# Altium PCB Dahlia Carrier Board.PcbDoc (part 2 of 10) (continued)
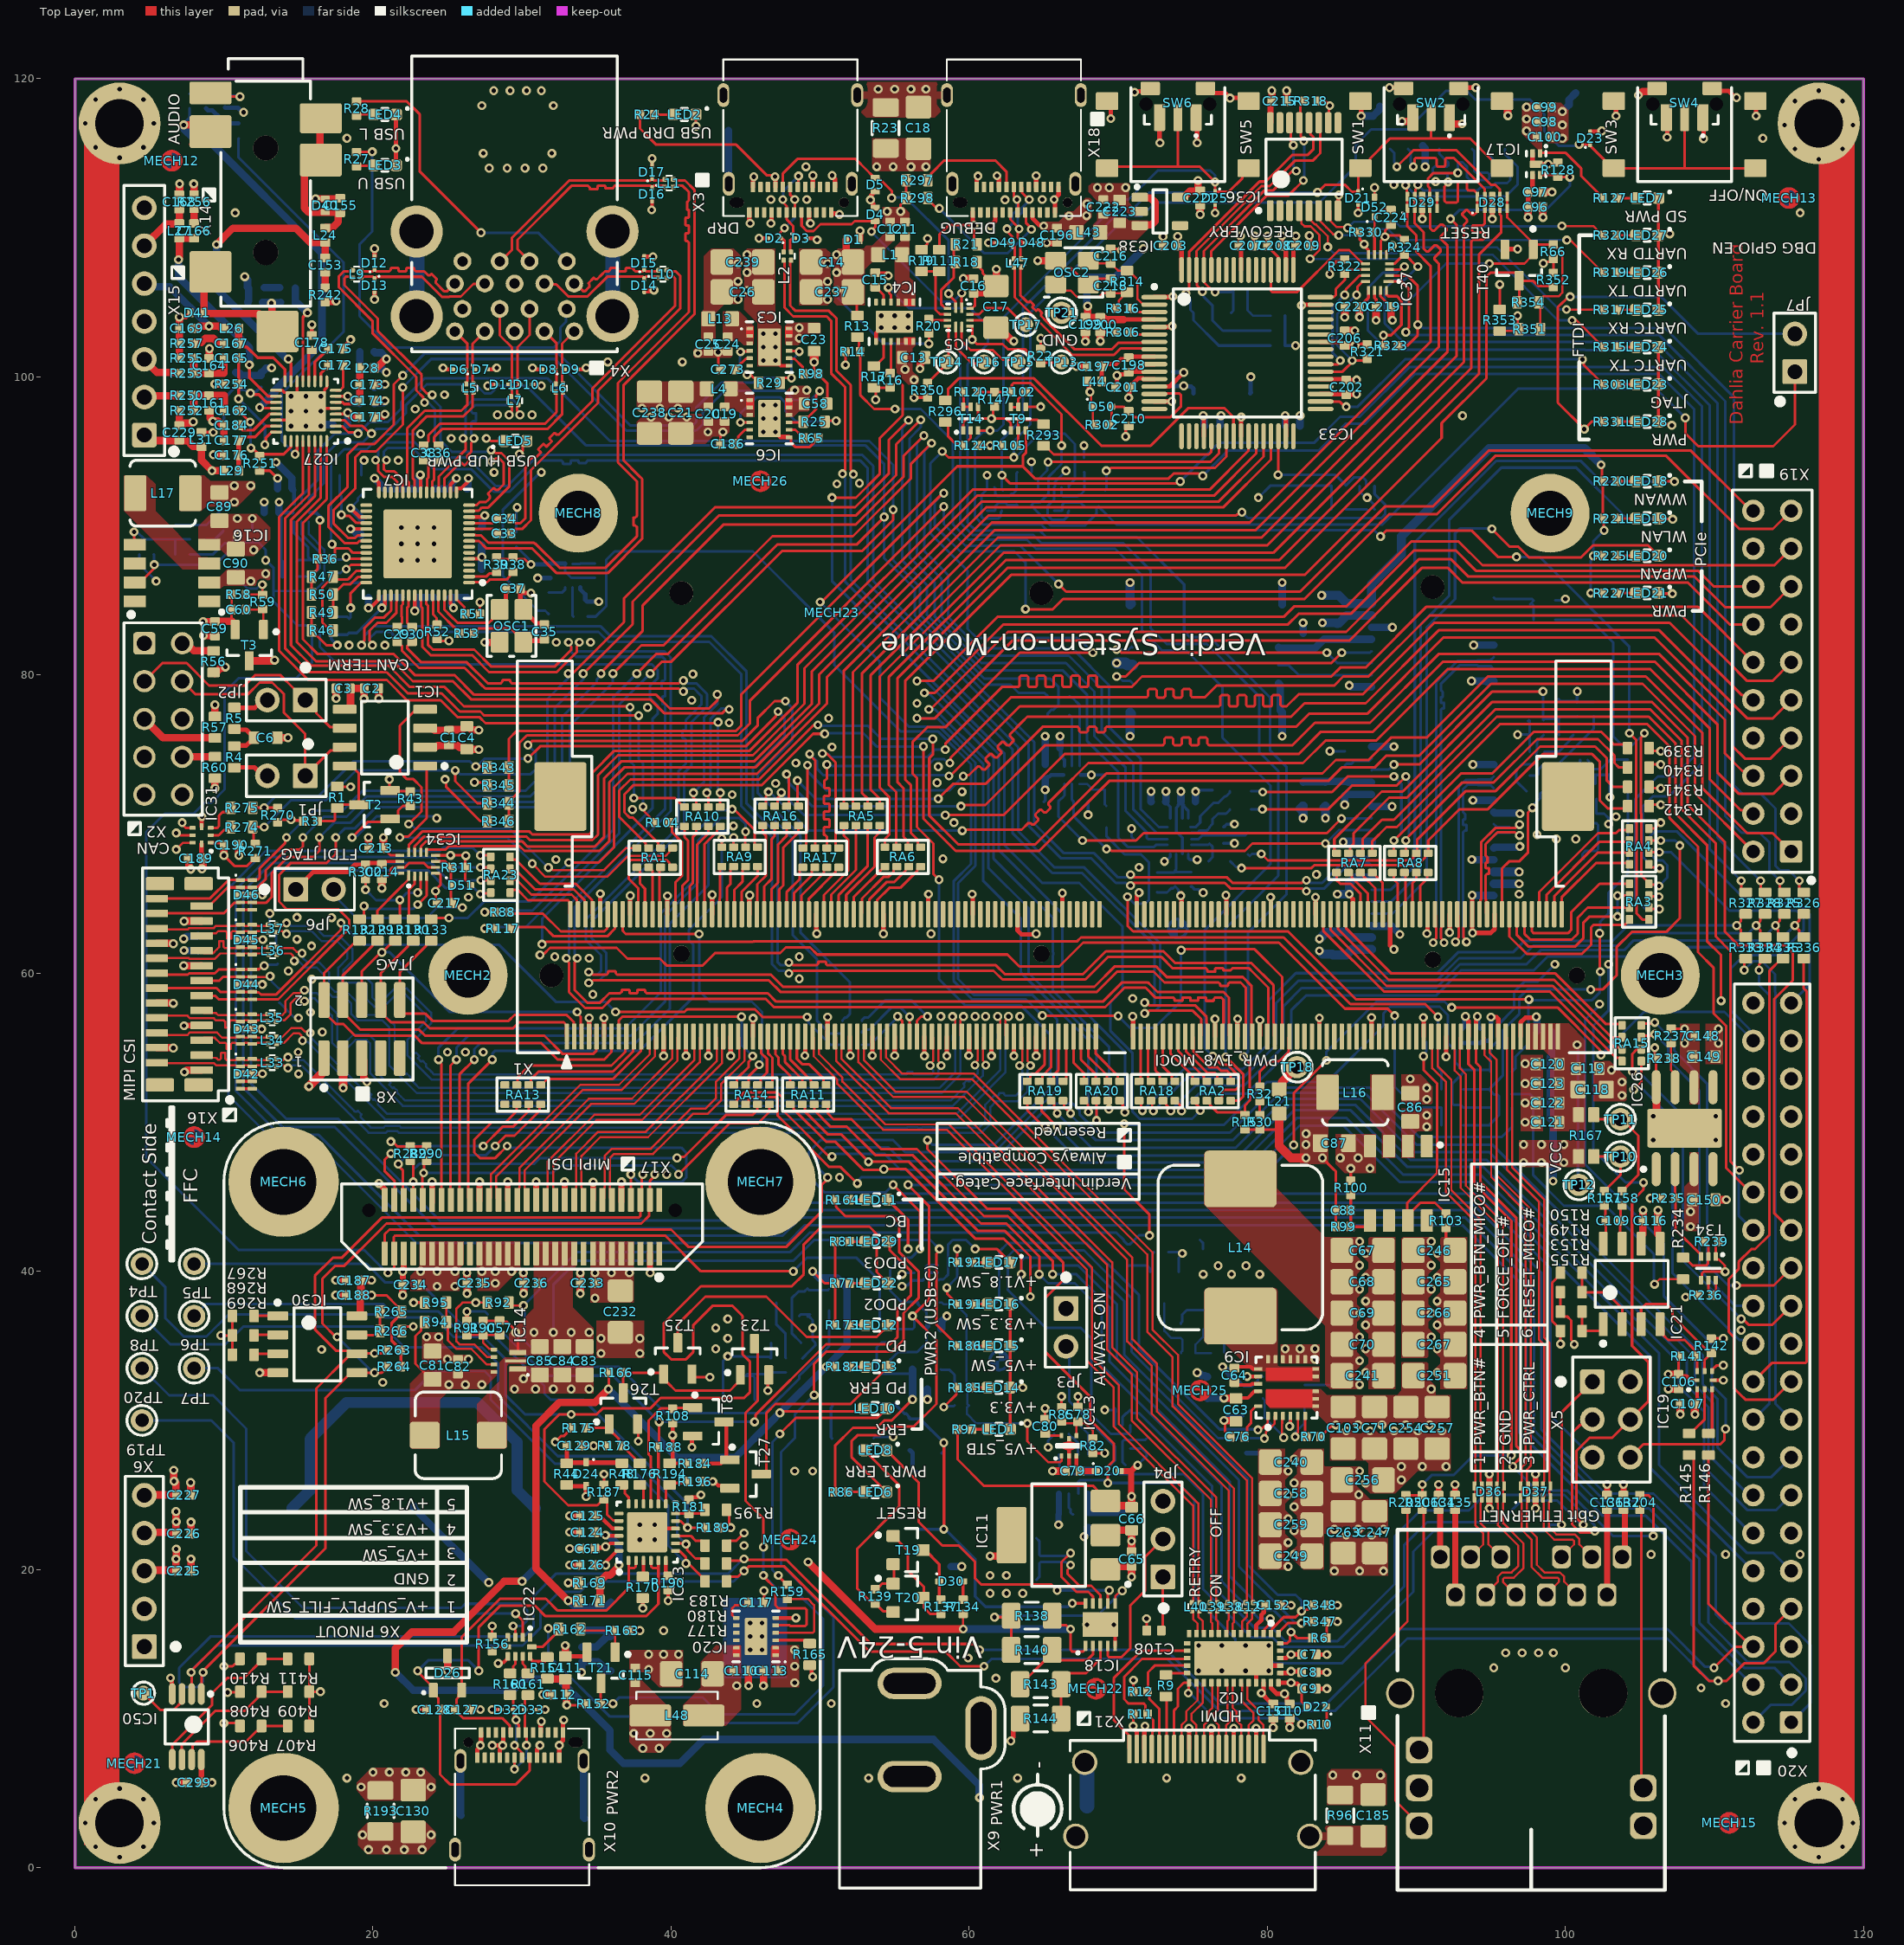
[diagram p0: Top Layer view]
## Components (designator, comment, footprint, x,y, rotation, side; value= is the part's Value field where it differs from the comment) (continued)
X21 "10029449-111RLF" T_FCI_10029449-111RLF 75,-1.494 r0 top locked

## Footprints (in the part's own frame and the unit in brackets; to place one, negate y for a bottom-side part, rotate by r counter-clockwise, add the part's x,y. Pads: shape width x height; smd on the part's side, far side on the other; paste and mask are expansions set on the pad)
CAPC1005X60N [mm]
  rrect25% 0.58x0.66 smd: 1(-0.49,0) 2(0.49,0)
  body extent -0.5,-0.25 0.5,0.25, height 0.6
CON-AMPHENOL-12401598E4#2A [mm] "USB 3.1 Gen 2, Input Output Connectors, USB type C, Receptacle, Top mount, dual-row SMT, 1.6mmPCB"
  rrect30% 0.3x0.7 smd: A1(-2.75,3.93) A2(-2.25,3.93) A3(-1.75,3.93) A4(-1.25,3.93) A5(-0.75,3.93) A6(-0.25,3.93) A7(0.25,3.93) A8(0.75,3.93) A9(1.25,3.93) A10(1.75,3.93) A11(2.25,3.93) A12(2.75,3.93) B1(2.5,2.23) B2(2,2.23) B3(1.5,2.23) B4(1,2.23) B5(0.5,2.23) B6(0,2.23) B7(-0.5,2.23) B8(-1,2.23) B9(-1.5,2.23) B10(-2,2.23) B11(-2.5,2.23) B12(-3,2.23)
  round 0.65 hole 0.65 unplated: None(-3.6,3.27)
  oval 0.95x0.65 hole 0.65 slot 0.95 at 0 deg unplated: None(3.6,3.27)
  oval 0.8x1.6 hole 0.5 slot 1 at 90 deg: SH1(-4.13,2.02) SH2(-4.49,-3.93) SH3(4.49,-3.93) SH4(4.13,2.02)
  silkscreen extent -4.5,-6.32 4.5,4.18, body extent -4.6,-6.31 4.6,4.19, height 3.28
CON-HEADER-2X5-MALE-2.54MM [mm] "2.54 mm header"
  rrect30% 1.5x1.5 hole 1: 1(0,0)
  round 1.5 hole 1: 2(0,2.54) 3(2.54,0) 4(2.54,2.54) 5(5.08,0) 6(5.08,2.54) 7(7.62,0) 8(7.62,2.54) 9(10.16,0) 10(10.16,2.54)
  silkscreen extent -2.04,-1.38 11.53,3.9, body extent -1.27,-1.27 11.43,3.81, height 8.4
CON-LINK-PP-LPJK7436A98NL [mil] "RJ45 Ethernet Connector 10000BaseT"
  rrect50% 50x60 hole 38: 1(146,-779.68) 2(226,-779.68) 3(306,-779.68) 4(386,-779.68) 5(466,-779.68) 6(546,-779.68) 7(106,-879.68) 8(186,-879.68) 9(266,-879.68) 10(426,-879.68) 11(506,-879.68) 12(586,-879.68)
  rrect50% 70x70 hole 50: 13(50,-269.68) 14(50,-169.68) 15(642,-369.68) 16(642,-269.68) 17(642,-169.68)
  oval 74x80 hole 62: S1(0,-519.68) S2(692,-519.68)
  round 128 hole 128 unplated: X(156,-519.68) X(536,-519.68)
  silkscreen extent -7,-952 699,0, body extent -55,-947 747,20, height 494
CON-MOLEX-67910-5700-HALF/FULL [mm]
  rrect12% 0.6x2 smd: 1(0.7,-4.1) 2(1.1,4.1) 3(1.5,-4.1) 4(1.9,4.1) 5(2.3,-4.1) 6(2.7,4.1) 7(3.1,-4.1) 8(3.5,4.1) 9(3.9,-4.1) 10(4.3,4.1) 11(4.7,-4.1) 12(5.1,4.1) 13(5.5,-4.1) 14(5.9,4.1) 15(6.3,-4.1) 16(6.7,4.1) 17(10.3,-4.1) 18(10.7,4.1) 19(11.1,-4.1) 20(11.5,4.1) 21(11.9,-4.1) 22(12.3,4.1) 23(12.7,-4.1) 24(13.1,4.1) 25(13.5,-4.1) 26(13.9,4.1) 27(14.3,-4.1) 28(14.7,4.1) 29(15.1,-4.1) 30(15.5,4.1) 31(15.9,-4.1) 32(16.3,4.1) 33(16.7,-4.1) 34(17.1,4.1) 35(17.5,-4.1) 36(17.9,4.1) 37(18.3,-4.1) 38(18.7,4.1) 39(19.1,-4.1) 40(19.5,4.1) 41(19.9,-4.1) 42(20.3,4.1) 43(20.7,-4.1) 44(21.1,4.1) 45(21.5,-4.1) 46(21.9,4.1) 47(22.3,-4.1) 48(22.7,4.1) 49(23.1,-4.1) 50(23.5,4.1) 51(23.9,-4.1) 52(24.3,4.1)
  rrect12% 2.3x3.2 smd: x(-2.15,-3.5) x(27.15,-3.5)
  round 1.6 hole 1.6 unplated: x(0,0) x(0.4,50.4) ""(0.4,26.25)
  round 1.1 hole 1.1 unplated: x(24.6,50.4) x(25,0) ""(24.6,26.25)
  rrect12% 4.8x3 smd: ""(0.4,23.1) ""(0.4,29.4) ""(0.4,47.25) ""(0.4,53.55) ""(24.6,23.1) ""(24.6,29.4) ""(24.6,47.25) ""(24.6,53.55)
  silkscreen extent -2.5,-1.5 27.53,55.72, body extent -2.5,-5.1 27.5,5.1, height 5.77
CON-SAMTEC-LSS-130-03-L-DV-A-CARRIER [mm] "0.635 mm Razor Beam High-Speed Hermaphroditic Terminal/Socket Strip"
  rrect20% 0.4x1.6 smd: 1(9.207,-1.8) 2(9.207,1.8) 3(8.572,-1.8) 4(8.572,1.8) 5(7.938,-1.8) 6(7.938,1.8) 7(7.302,-1.8) 8(7.302,1.8) 9(6.667,-1.8) 10(6.667,1.8) 11(6.032,-1.8) 12(6.032,1.8) 13(5.397,-1.8) 14(5.397,1.8) 15(4.763,-1.8) 16(4.763,1.8) 17(4.127,-1.8) 18(4.127,1.8) 19(3.492,-1.8) 20(3.492,1.8) 21(2.857,-1.8) 22(2.857,1.8) 23(2.222,-1.8) 24(2.222,1.8) 25(1.587,-1.8) 26(1.587,1.8) 27(0.953,-1.8) 28(0.953,1.8) 29(0.318,-1.8) 30(0.318,1.8) 31(-0.318,-1.8) 32(-0.318,1.8) 33(-0.953,-1.8) 34(-0.953,1.8) 35(-1.587,-1.8) 36(-1.587,1.8) 37(-2.222,-1.8) 38(-2.222,1.8) 39(-2.857,-1.8) 40(-2.857,1.8) 41(-3.492,-1.8) 42(-3.492,1.8) 43(-4.127,-1.8) 44(-4.127,1.8) 45(-4.763,-1.8) 46(-4.763,1.8) 47(-5.397,-1.8) 48(-5.397,1.8) 49(-6.032,-1.8) 50(-6.032,1.8) 51(-6.667,-1.8) 52(-6.667,1.8) 53(-7.302,-1.8) 54(-7.302,1.8) 55(-7.938,-1.8) 56(-7.938,1.8) 57(-8.572,-1.8) 58(-8.572,1.8) 59(-9.207,-1.8) 60(-9.207,1.8)
  round 0 hole 0.9 unplated mask+0.55: ""(-10.275,1.1) ""(10.275,1.1)
  silkscreen extent -12.1,-3.49 12.1,2.85, body extent -11.9,-2.3 11.9,2.3, height 5.46
CON-TE-2309409-2-SOLDERABLE-STANDOFFS [mm]
  rrect40% 0.3x1.75 smd: 1(33.375,8.05) 2(33.125,-0.15) 3(32.875,8.05) 4(32.625,-0.15) 5(32.375,8.05) 6(32.125,-0.15) 7(31.875,8.05) 8(31.625,-0.15) 9(31.375,8.05) 10(31.125,-0.15) 11(30.875,8.05) 12(30.625,-0.15) 13(30.375,8.05) 14(30.125,-0.15) 15(29.875,8.05) 16(29.625,-0.15) 17(29.375,8.05) 18(29.125,-0.15) 19(28.875,8.05) 20(28.625,-0.15) 21(28.375,8.05) 22(28.125,-0.15) 23(27.875,8.05) 24(27.625,-0.15) 25(27.375,8.05) 26(27.125,-0.15) 27(26.875,8.05) 28(26.625,-0.15) 29(26.375,8.05) 30(26.125,-0.15) 31(25.875,8.05) 32(25.625,-0.15) 33(25.375,8.05) 34(25.125,-0.15) 35(24.875,8.05) 36(24.625,-0.15) 37(24.375,8.05) 38(24.125,-0.15) 39(23.875,8.05) 40(23.625,-0.15) 41(23.375,8.05) 42(23.125,-0.15) 43(22.875,8.05) 44(22.625,-0.15) 45(22.375,8.05) 46(22.125,-0.15) 47(21.875,8.05) 48(21.625,-0.15) 49(21.375,8.05) 50(21.125,-0.15) 51(20.875,8.05) 52(20.625,-0.15) 53(20.375,8.05) 54(20.125,-0.15) 55(19.875,8.05) 56(19.625,-0.15) 57(19.375,8.05) 58(19.125,-0.15) 59(18.875,8.05) 60(18.625,-0.15) 61(18.375,8.05) 62(18.125,-0.15) 63(17.875,8.05) 64(17.625,-0.15) 65(17.375,8.05) 66(17.125,-0.15) 67(16.875,8.05) 68(16.625,-0.15) 69(16.375,8.05) 70(16.125,-0.15) 71(15.875,8.05) 72(15.625,-0.15) 73(15.375,8.05) 74(15.125,-0.15) 75(14.875,8.05) 76(14.625,-0.15) 77(14.375,8.05) 78(14.125,-0.15) 79(13.875,8.05) 80(13.625,-0.15) 81(13.375,8.05) 82(13.125,-0.15) 83(12.875,8.05) 84(12.625,-0.15) 85(12.375,8.05) 86(12.125,-0.15) 87(11.875,8.05) 88(11.625,-0.15) 89(11.375,8.05) 90(11.125,-0.15) 91(10.875,8.05) 92(10.625,-0.15) 93(10.375,8.05) 94(10.125,-0.15) 95(9.875,8.05) 96(9.625,-0.15) 97(9.375,8.05) 98(9.125,-0.15) 99(8.875,8.05) 100(8.625,-0.15) 101(8.375,8.05) 102(8.125,-0.15) 103(7.875,8.05) 104(7.625,-0.15) 105(7.375,8.05) 106(7.125,-0.15) 107(6.875,8.05) 108(6.625,-0.15) 109(6.375,8.05) 110(6.125,-0.15) 111(5.875,8.05) 112(5.625,-0.15) 113(5.375,8.05) 114(5.125,-0.15) 115(4.875,8.05) 116(4.625,-0.15) 117(4.375,8.05) 118(4.125,-0.15) 119(3.875,8.05) 120(3.625,-0.15) 121(3.375,8.05) 122(3.125,-0.15) 123(2.875,8.05) 124(2.625,-0.15) 125(2.375,8.05) 126(2.125,-0.15) 127(1.875,8.05) 128(1.625,-0.15) 129(1.375,8.05) 130(1.125,-0.15) 131(0.875,8.05) 132(0.625,-0.15) 133(0.375,8.05) 134(0.125,-0.15) 135(-0.125,8.05) 136(-0.375,-0.15) 137(-0.625,8.05) 138(-0.875,-0.15) 139(-1.125,8.05) 140(-1.375,-0.15) 141(-1.625,8.05) 142(-1.875,-0.15) 143(-2.125,8.05) 144(-2.375,-0.15) 145(-4.625,8.05) 146(-4.875,-0.15) 147(-5.125,8.05) 148(-5.375,-0.15) 149(-5.625,8.05) 150(-5.875,-0.15) 151(-6.125,8.05) 152(-6.375,-0.15) 153(-6.625,8.05) 154(-6.875,-0.15) 155(-7.125,8.05) 156(-7.375,-0.15) 157(-7.625,8.05) 158(-7.875,-0.15) 159(-8.125,8.05) 160(-8.375,-0.15) 161(-8.625,8.05) 162(-8.875,-0.15) 163(-9.125,8.05) 164(-9.375,-0.15) 165(-9.625,8.05) 166(-9.875,-0.15) 167(-10.125,8.05) 168(-10.375,-0.15) 169(-10.625,8.05) 170(-10.875,-0.15) 171(-11.125,8.05) 172(-11.375,-0.15) 173(-11.625,8.05) 174(-11.875,-0.15) 175(-12.125,8.05) 176(-12.375,-0.15) 177(-12.625,8.05) 178(-12.875,-0.15) 179(-13.125,8.05) 180(-13.375,-0.15) 181(-13.625,8.05) 182(-13.875,-0.15) 183(-14.125,8.05) 184(-14.375,-0.15) 185(-14.625,8.05) 186(-14.875,-0.15) 187(-15.125,8.05) 188(-15.375,-0.15) 189(-15.625,8.05) 190(-15.875,-0.15) 191(-16.125,8.05) 192(-16.375,-0.15) 193(-16.625,8.05) 194(-16.875,-0.15) 195(-17.125,8.05) 196(-17.375,-0.15) 197(-17.625,8.05) 198(-17.875,-0.15) 199(-18.125,8.05) 200(-18.375,-0.15) 201(-18.625,8.05) 202(-18.875,-0.15) 203(-19.125,8.05) 204(-19.375,-0.15) 205(-19.625,8.05) 206(-19.875,-0.15) 207(-20.125,8.05) 208(-20.375,-0.15) 209(-20.625,8.05) 210(-20.875,-0.15) 211(-21.125,8.05) 212(-21.375,-0.15) 213(-21.625,8.05) 214(-21.875,-0.15) 215(-22.125,8.05) 216(-22.375,-0.15) 217(-22.625,8.05) 218(-22.875,-0.15) 219(-23.125,8.05) 220(-23.375,-0.15) 221(-23.625,8.05) 222(-23.875,-0.15) 223(-24.125,8.05) 224(-24.375,-0.15) 225(-24.625,8.05) 226(-24.875,-0.15) 227(-25.125,8.05) 228(-25.375,-0.15) 229(-25.625,8.05) 230(-25.875,-0.15) 231(-26.125,8.05) 232(-26.375,-0.15) 233(-26.625,8.05) 234(-26.875,-0.15) 235(-27.125,8.05) 236(-27.375,-0.15) 237(-27.625,8.05) 238(-27.875,-0.15) 239(-28.125,8.05) 240(-28.375,-0.15) 241(-28.625,8.05) 242(-28.875,-0.15) 243(-29.125,8.05) 244(-29.375,-0.15) 245(-29.625,8.05) 246(-29.875,-0.15) 247(-30.125,8.05) 248(-30.375,-0.15) 249(-30.625,8.05) 250(-30.875,-0.15) 251(-31.125,8.05) 252(-31.375,-0.15) 253(-31.625,8.05) 254(-31.875,-0.15) 255(-32.125,8.05) 256(-32.375,-0.15) 257(-32.625,8.05) 258(-32.875,-0.15) 259(-33.125,8.05) 260(-33.375,-0.15)
  round 5.3 / inner round 0 / far side round 0 hole 3 unplated: ""(-40,3.95) ""(-32.6,-27.05) ""(32.6,-27.05) ""(40,3.95)
  round 1.1 hole 1.1 unplated: ""(-34.4,3.95)
  rrect10% 3.5x4.6 smd: ""(-33.8,-8.05) ""(33.8,-8.05)
  round 1.6 hole 1.6 unplated: ""(34.4,3.95)
  silkscreen extent -36.7,-17.15 36.7,10.15, body extent -36.5,-16.9 36.5,8.95, height 5.27
D-DIODES-D3V3F4U10LP-7 [mm] "U-DFN2510-10 , 10-Leads, Body 1.01x2.51mm, Pitch 0.50mm, IPC Medium Density"
  rrect30% 0.625x0.25 smd: 1(-0.4,1) 2(-0.4,0.5) 4(-0.4,-0.5) 5(-0.4,-1) 6(0.4,-1) 7(0.4,-0.5) 9(0.4,0.5) 10(0.4,1)
  rrect30% 0.7x0.45 smd: 3(-0.375,0)
  rrect30% 0.575x0.45 smd: 8(0.425,0)
  silkscreen extent -0.75,1.28 -0.65,1.37, body extent -0.54,-1.29 0.54,1.29, height 0.61
D-DIODES-SOD-923 [mm] "SOD-923, 2-Leads, Body 0.60x1.00mm, IPC Medium Density"
  rrect20% 0.4x0.6 smd: 1(-0.45,0) 2(0.45,0)
  body extent -0.5,-0.33 0.5,0.33, height 0.4
IC-A&O-AOZ1327DI-01 [mm] "PSON, 12-Leads, Body 3.00x3.00mm, Pitch 0.50mm, Thermal Pad 2.50x1.50mm, IPC Medium Density"
  rrect30% 0.45x0.25 smd: 1(-1.32,1.25) 2(-1.32,0.75) 3(-1.32,0.25) 4(-1.32,-0.25) 5(-1.32,-0.75) 6(-1.32,-1.25) 7(1.32,-1.25) 8(1.32,-0.75) 9(1.32,-0.25) 10(1.32,0.25) 11(1.32,0.75) 12(1.32,1.25)
  rrect10% 1.5x2.5 smd paste-0.75: 13(0,0)
  Top Layer region: -1.075,1.375 -1.07,1.375 -1.061,1.371 -1.054,1.364 -1.05,1.355 -1.05,1.35 -1.05,1.35 -1.05,0.675 -1.05,0.665 -1.058,0.647 -1.072,0.633 -1.09,0.625 -1.1,0.625 -1.1,0.625 -1.425,0.625 -1.545,0.745 -1.545,1.28 -1.45,1.375
  Top Layer region: 1.075,0.625 1.07,0.625 1.061,0.629 1.054,0.636 1.05,0.645 1.05,0.65 1.05,0.65 1.05,1.325 1.05,1.335 1.058,1.353 1.072,1.367 1.09,1.375 1.1,1.375 1.1,1.375 1.425,1.375 1.545,1.255 1.545,0.72 1.45,0.625
  silkscreen extent -2,-1.7 1.55,1.75, body extent -1.55,-1.55 1.55,1.55, height 1
IC-A&O-AOZ1353DI-01 [mm] "PSON, 12-Leads, Body 3.00x3.00mm, Pitch 0.50mm, Thermal Pad 2.50x1.50mm, IPC Medium Density"
  rrect30% 0.45x0.25 smd: 1(-1.32,1.25) 2(-1.32,0.75) 3(-1.32,0.25) 4(-1.32,-0.25) 5(-1.32,-0.75) 6(-1.32,-1.25) 7(1.32,-1.25) 8(1.32,-0.75) 9(1.32,-0.25) 10(1.32,0.25) 11(1.32,0.75) 12(1.32,1.25)
  rrect10% 1.5x2.5 smd paste-0.75: 13(0,0)
  Top Layer region: -1.075,1.375 -1.07,1.375 -1.061,1.371 -1.054,1.364 -1.05,1.355 -1.05,1.35 -1.05,1.35 -1.05,0.675 -1.05,0.665 -1.058,0.647 -1.072,0.633 -1.09,0.625 -1.1,0.625 -1.1,0.625 -1.425,0.625 -1.545,0.745 -1.545,1.28 -1.45,1.375
  Top Layer region: 1.075,0.625 1.07,0.625 1.061,0.629 1.054,0.636 1.05,0.645 1.05,0.65 1.05,0.65 1.05,1.325 1.05,1.335 1.058,1.353 1.072,1.367 1.09,1.375 1.1,1.375 1.1,1.375 1.425,1.375 1.545,1.255 1.545,0.72 1.45,0.625
  silkscreen extent -1.92,-1.7 1.55,1.7, body extent -1.55,-1.55 1.55,1.55, height 1
IC-DFN50P300X300X75-10N [mm]
  rrect20% 0.7x0.25 smd: 1(-1.425,1) 2(-1.425,0.5) 3(-1.425,0) 4(-1.425,-0.5) 5(-1.425,-1) 6(1.425,-1) 7(1.425,-0.5) 8(1.425,0) 9(1.425,0.5) 10(1.425,1)
  rrect5% 1.65x2.38 smd: 11(0,0)
  silkscreen extent -1.95,1.45 -1.85,1.55, body extent -1.55,-1.55 1.55,1.55, height 0.85
IC-MICROPAK50P160X2160X55-8N [mm]
  rrect30% 0.25x0.4 smd: 1(-0.5,-0.605) 2(0,-0.605) 3(0.5,-0.605) 5(0.5,0.605) 6(0,0.605) 7(-0.5,0.605)
  rrect30% 0.45x0.25 smd: 4(0.575,0) 8(-0.575,0)
  silkscreen extent -1.12,-0.68 -1.02,-0.59, body extent -0.83,-0.82 0.82,0.82, height 0.55
IC-QFN40P400X400X80_HS-33N [mm]
  oval 0.8x0.2 smd: 1(-2,1.4) 2(-2,1) 3(-2,0.6) 4(-2,0.2) 5(-2,-0.2) 6(-2,-0.6) 7(-2,-1) 8(-2,-1.4) 17(2,-1.4) 18(2,-1) 19(2,-0.6) 20(2,-0.2) 21(2,0.2) 22(2,0.6) 23(2,1) 24(2,1.4)
  oval 0.2x0.8 smd: 9(-1.4,-2) 10(-1,-2) 11(-0.6,-2) 12(-0.2,-2) 13(0.2,-2) 14(0.6,-2) 15(1,-2) 16(1.4,-2) 25(1.4,2) 26(1,2) 27(0.6,2) 28(0.2,2) 29(-0.2,2) 30(-0.6,2) 31(-1,2) 32(-1.4,2)
  rrect7% 2.7x2.7 smd paste-5: 33(0,0)
  silkscreen extent -2.93,-2.15 2.15,2.15, body extent -2.05,-2.05 2.05,2.05, height 0.8
IC-QFN40P700X700X100_HS-57N [mm]
  oval 0.8x0.25 smd: 1(-3.45,2.6) 2(-3.45,2.2) 3(-3.45,1.8) 4(-3.45,1.4) 5(-3.45,1) 6(-3.45,0.6) 7(-3.45,0.2) 8(-3.45,-0.2) 9(-3.45,-0.6) 10(-3.45,-1) 11(-3.45,-1.4) 12(-3.45,-1.8) 13(-3.45,-2.2) 14(-3.45,-2.6) 29(3.45,-2.6) 30(3.45,-2.2) 31(3.45,-1.8) 32(3.45,-1.4) 33(3.45,-1) 34(3.45,-0.6) 35(3.45,-0.2) 36(3.45,0.2) 37(3.45,0.6) 38(3.45,1) 39(3.45,1.4) 40(3.45,1.8) 41(3.45,2.2) 42(3.45,2.6)
  oval 0.25x0.8 smd: 15(-2.6,-3.45) 16(-2.2,-3.45) 17(-1.8,-3.45) 18(-1.4,-3.45) 19(-1,-3.45) 20(-0.6,-3.45) 21(-0.2,-3.45) 22(0.2,-3.45) 23(0.6,-3.45) 24(1,-3.45) 25(1.4,-3.45) 26(1.8,-3.45) 27(2.2,-3.45) 28(2.6,-3.45) 43(2.6,3.45) 44(2.2,3.45) 45(1.8,3.45) 46(1.4,3.45) 47(1,3.45) 48(0.6,3.45) 49(0.2,3.45) 50(-0.2,3.45) 51(-0.6,3.45) 52(-1,3.45) 53(-1.4,3.45) 54(-1.8,3.45) 55(-2.2,3.45) 56(-2.6,3.45)
  rrect5% 4.6x4.6 smd paste-10: 57(0,0)
  silkscreen extent -4.48,-3.65 3.65,3.65, body extent -3.5,-3.5 3.5,3.5, height 1
IC-ROHM-BD4142HFV-TR [mm] "SOTFL, 5-Leads, Body 1.60x1.60mm, Pitch 0.50mm, IPC Medium Density"
  rrect30% 0.35x0.25 smd: 1(-0.675,0.5) 3(-0.675,-0.5) 4(0.675,-0.5) 5(0.675,0.5)
  rrect30% 0.35x0.251 smd: 2(-0.675,0) 2(0.475,0)
  Top Layer region: -0.55,0.125 -0.325,0.125 -0.2,0.4 0.2,0.4 0.3,0.125 0.475,0.125 0.475,-0.125 0.3,-0.125 0.2,-0.4 -0.2,-0.4 -0.325,-0.125 -0.55,-0.125
  silkscreen extent -0.87,-0.85 0.1,0.92, body extent -0.8,-0.82 0.8,0.82, height 0.6
IC-SO-8EP [mm]
  rrect10% 1.5x0.8 smd: 1(-2.5,1.905) 2(-2.5,0.635) 3(-2.5,-0.635) 4(-2.5,-1.905) 5(2.5,-1.905) 6(2.5,-0.635) 7(2.5,0.635) 8(2.5,1.905)
  silkscreen extent -2.7,2.68 -2.45,2.93, body extent -3,-2.5 3,2.5, height 1.63
IC-SOIC127P650X175_HS-8N [mm]
  oval 2.3x0.6 smd: 1(-2.75,1.905) 2(-2.75,0.635) 3(-2.75,-0.635) 4(-2.75,-1.905) 5(2.75,-1.905) 6(2.75,-0.635) 7(2.75,0.635) 8(2.75,1.905)
  rrect10% 2.6x5 smd paste-5 mask-5: 9(0,0)
  silkscreen extent -2.87,2.63 -2.63,2.88, body extent -3,-2.5 3,2.5, height 1.75
IC-SOIC-8 [mm] "SOIC-8, 8-Leads, Body 6.19mmx5.00mm, Pitch 1.27mm, IPC Medium Density"
  rrect25% 1.6x0.6 smd: 1(-2.7,1.905) 2(-2.7,0.635) 3(-2.7,-0.635) 4(-2.7,-1.905) 5(2.7,-1.905) 6(2.7,-0.635) 7(2.7,0.635) 8(2.7,1.905)
  silkscreen extent -4.08,-2.45 1.58,2.45, body extent -3,-2.5 3,2.5, height 1.63
IC-SOIC-8N [mm]
  rrect25% 1.4x0.6 smd: 1(-2.65,1.905) 2(-2.65,0.635) 3(-2.65,-0.635) 4(-2.65,-1.905) 5(2.65,-1.905) 6(2.65,-0.635) 7(2.65,0.635) 8(2.65,1.905)
  silkscreen extent -2.75,-2.45 1.58,2.88, body extent -3.11,-2.5 3.11,2.5, height 1.75
IC-TI-BQ24392RSER [mm] "USB High Speed Switch"
  rrect20% 0.3x0.58 smd: 1(-0.75,-0.64) 2(-0.25,-0.64) 3(0.25,-0.64) 4(0.75,-0.64) 6(0.75,0.64) 7(0.25,0.64) 8(-0.25,0.64) 9(-0.75,0.64)
  rrect20% 0.63x0.35 smd: 5(0.86,0) 10(-0.86,0)
  silkscreen extent -0.85,-1.35 -0.65,-1.15, body extent -1.03,-0.78 1.03,0.78, height 0.6
IC-TI-TUSB321AIRWBR [mm]
  rrect30% 0.7x0.2 smd: 1(-0.65,0.2) 2(-0.65,-0.2) 7(0.65,-0.2) 8(0.65,0.2)
  rrect30% 0.2x0.5 smd: 3(-0.6,-0.75) 4(-0.2,-0.75) 5(0.2,-0.75) 6(0.6,-0.75) 9(0.6,0.75) 10(0.2,0.75) 11(-0.2,0.75) 12(-0.6,0.75)
  silkscreen extent -1.22,-0.83 0.88,0.83, body extent -0.82,-0.82 0.82,0.82, height 0.4
IC-TSOP65P490X110-8N [mm] "TSOP, 8-Leads, Body 3.00x3.00mm, Pitch 0.65mm, IPC Medium Density"
  oval 1.45x0.45 smd: 1(-2.2,0.975) 2(-2.2,0.325) 3(-2.2,-0.325) 4(-2.2,-0.975) 5(2.2,-0.975) 6(2.2,-0.325) 7(2.2,0.325) 8(2.2,0.975)
  silkscreen extent -2.32,-1.45 1.15,1.73, body extent -2.45,-1.45 2.45,1.45, height 1.1
IC-UQFN40P180X210X55-16N [mm]
  rrect30% 0.7x0.2 smd: 1(-0.75,0.6)
  rrect30% 0.6x0.2 smd: 2(-0.8,0.2) 3(-0.8,-0.2) 4(-0.8,-0.6) 9(0.8,-0.6) 10(0.8,-0.2) 11(0.8,0.2) 12(0.8,0.6)
  rrect30% 0.2x0.6 smd: 5(-0.6,-1.2) 6(-0.2,-1.2) 7(0.2,-1.2) 8(0.6,-1.2) 13(0.6,1.2) 14(0.2,1.2) 15(-0.2,1.2) 16(-0.6,1.2)
  silkscreen extent -1.5,0.55 -1.4,0.65, body extent -0.93,-1.33 0.93,1.33, height 0.55
IC_TSOP65P640X120-16N [mm]
  rrect50% 1.4x0.45 smd: 1(-2.95,2.275) 2(-2.95,1.625) 3(-2.95,0.975) 4(-2.95,0.325) 5(-2.95,-0.325) 6(-2.95,-0.975) 7(-2.95,-1.625) 8(-2.95,-2.275) 9(2.95,-2.275) 10(2.95,-1.625) 11(2.95,-0.975) 12(2.95,-0.325) 13(2.95,0.325) 14(2.95,0.975) 15(2.95,1.625) 16(2.95,2.275)
  silkscreen extent -3.07,-2.55 1.85,3.17, body extent -3.2,-2.55 3.2,2.55, height 1.2
IND-BOURNS-SRP4020TA [mm]
  rrect15% 2.4x1.5 smd: 1(0,-1.85) 2(0,1.85)
  silkscreen extent -2.2,-2.2 2.2,2.2, body extent -2.1,-2.2 2.1,2.2, height 1.92
INDC1005X60N [mm]
  rrect20% 0.58x0.66 smd: 1(-0.49,0) 2(0.49,0)
  body extent -0.5,-0.25 0.5,0.25, height 0.5
INDC1608X95N [mm]
  rrect20% 0.95x1 smd: 1(-0.8,0) 2(0.8,0)
  body extent -0.8,-0.4 0.8,0.4, height 0.8
LQFP-64 [mm]
  oval 1.75x0.3 smd: 1(-5.575,3.75) 2(-5.575,3.25) 3(-5.575,2.75) 4(-5.575,2.25) 5(-5.575,1.75) 6(-5.575,1.25) 7(-5.575,0.75) 8(-5.575,0.25) 9(-5.575,-0.25) 10(-5.575,-0.75) 11(-5.575,-1.25) 12(-5.575,-1.75) 13(-5.575,-2.25) 14(-5.575,-2.75) 15(-5.575,-3.25) 16(-5.575,-3.75) 33(5.575,-3.75) 34(5.575,-3.25) 35(5.575,-2.75) 36(5.575,-2.25) 37(5.575,-1.75) 38(5.575,-1.25) 39(5.575,-0.75) 40(5.575,-0.25) 41(5.575,0.25) 42(5.575,0.75) 43(5.575,1.25) 44(5.575,1.75) 45(5.575,2.25) 46(5.575,2.75) 47(5.575,3.25) 48(5.575,3.75)
  oval 0.3x1.75 smd: 17(-3.75,-5.575) 18(-3.25,-5.575) 19(-2.75,-5.575) 20(-2.25,-5.575) 21(-1.75,-5.575) 22(-1.25,-5.575) 23(-0.75,-5.575) 24(-0.25,-5.575) 25(0.25,-5.575) 26(0.75,-5.575) 27(1.25,-5.575) 28(1.75,-5.575) 29(2.25,-5.575) 30(2.75,-5.575) 31(3.25,-5.575) 32(3.75,-5.575) 49(3.75,5.575) 50(3.25,5.575) 51(2.75,5.575) 52(2.25,5.575) 53(1.75,5.575) 54(1.25,5.575) 55(0.75,5.575) 56(0.25,5.575) 57(-0.25,5.575) 58(-0.75,5.575) 59(-1.25,5.575) 60(-1.75,5.575) 61(-2.25,5.575) 62(-2.75,5.575) 63(-3.25,5.575) 64(-3.75,5.575)
  silkscreen extent -5.7,-4.3 4.3,4.57, body extent -6,-6 6,6, height 1.6
MECH-MOLEX-48099-5701 [mm]
  body extent -2.12,-4.31 26.33,4.6, height 6.56
MECH-WURTH-9774025243R [mm]
  body extent -2.17,-2.17 2.18,2.17, height 2.51
MECH-WURTH-9774070243R [mm]
  body extent -2.17,-2.17 2.17,2.17, height 7.01
MECH-WURTH-9774080360R [mm]
  round 7.4 / inner round 0 / far side round 0 hole 4.4 unplated: ""(0,0)
  body extent -3,-3 3,3, height 8
ONSC-SOT-23-3-318-08_V [mm]
  rrect20% 0.9x0.8 smd: 1(-1,0.95) 2(-1,-0.95) 3(1,0)
  silkscreen extent -2.1,-1.46 0.65,1.46, body extent -1.32,-1.5 1.32,1.5, height 1.08
OSC-SMD-3.2MMX2.5MM [mm]
  rrect20% 1.4x1.2 smd: 1(-1.1,-0.8) 2(1.1,-0.8) 3(1.1,0.8) 4(-1.1,0.8)
  silkscreen extent -2.06,-1.65 2.06,1.65, body extent -1.65,-1.3 1.65,1.3, height 0.8
QFN50P350X650X95_HS-37N [mm]
  rrect20% 0.5x0.3 smd paste-0.01: 1(-1.65,2.5) 2(-1.65,2) 3(-1.65,1.5) 4(-1.65,1) 5(-1.65,0.5) 6(-1.65,0) 7(-1.65,-0.5) 8(-1.65,-1) 9(-1.65,-1.5) 10(-1.65,-2) 11(-1.65,-2.5) 12(-1.65,-3) 18(1.65,-3) 30(1.65,3)
  rrect20% 0.3x0.45 smd paste-0.01: 13(-1,-3.125) 14(-0.5,-3.125) 15(0,-3.125) 16(0.5,-3.125) 17(1,-3.125) 31(1,3.125) 32(0.5,3.125) 33(0,3.125) 34(-0.5,3.125) 35(-1,3.125)
  rrect20% 0.5x0.3 smd: 19(1.65,-2.5) 20(1.65,-2) 21(1.65,-1.5) 22(1.65,-1) 23(1.65,-0.5) 24(1.65,0) 25(1.65,0.5) 26(1.65,1) 27(1.65,1.5) 28(1.65,2) 29(1.65,2.5) 36(-1.65,3)
  rrect10% 2.3x5.3 smd paste-2: 37(0,0)
  silkscreen extent -2.47,2.38 -2.23,2.63, body extent -1.8,-3.3 1.8,3.3, height 0.95
RESC1005X40N [mm]
  rrect20% 0.57x0.62 smd: 1(-0.48,0) 2(0.48,0)
  body extent -0.5,-0.25 0.5,0.25, height 0.35
RESC3216X75N [mm]
  rrect25% 1.25x1.75 smd: 1(-1.375,0) 2(1.375,0)
  silkscreen extent -0.45,-0.9 0.45,0.9, body extent -1.6,-0.8 1.6,0.8, height 0.6
RESWSK1206 [mil]
  rrect20% 39.76x30 smd: 1(-55,20) 2(-55,-20) 3(55,-20) 4(55,20)
  body extent -63,-31 63,32, height 25
SOD-523 [mm]
  rrect30% 0.48x0.4 smd: A(0.66,0) C(-0.66,0)
  silkscreen extent -1.02,0.45 -0.93,0.55, body extent -0.8,-0.45 0.8,0.45, height 0.7
SOD-523F [mm]
  rrect30% 0.55x0.4 smd: A(0.8,0) C(-0.8,0)
  silkscreen extent -1.02,0.45 -0.93,0.55, body extent -0.8,-0.45 0.8,0.45, height 0.7
SOD-923 [mm] "SOD-923, 2-Leads, Body 0.60x1.00mm, IPC Medium Density"
  rrect50% 0.36x0.25 smd: 1(-0.42,0) 2(0.42,0)
  silkscreen extent -0.65,0.25 -0.55,0.35, body extent -0.52,-0.32 0.53,0.33, height 0.43
SOIC127P600X173-8N [mm]
  rrect25% 1.6x0.6 smd: 1(-2.7,1.905) 2(-2.7,0.635) 3(-2.7,-0.635) 4(-2.7,-1.905) 5(2.7,-1.905) 6(2.7,-0.635) 7(2.7,0.635) 8(2.7,1.905)
  silkscreen extent -4.08,-2.45 1.58,2.45, body extent -3.11,-2.5 3.11,2.5, height 1.75
SOT95P230X110-3N [mm]
  rrect30% 1x0.6 smd: 1(-1.15,0.95) 2(-1.15,-0.95) 3(1.15,0)
  silkscreen extent -1.4,-1.45 0.33,1.67, body extent -1.32,-1.5 1.32,1.5, height 1.08
SOT95P237X112-3N [mm]
  rrect20% 1.3x0.6 smd: 1(-1.05,0.95) 2(-1.05,-0.95) 3(1.05,0)
  silkscreen extent -1.03,-1.5 0.7,1.92, body extent -1.25,-1.5 1.25,1.5, height 1.09
SOT95P279X142-5N [mm]
  rrect30% 1.1x0.6 smd: 1(-1.35,0.95) 2(-1.35,0) 3(-1.35,-0.95) 4(1.35,-0.95) 5(1.35,0.95)
  silkscreen extent -1.61,-1.45 0.48,1.73, body extent -1.4,-1.45 1.4,1.45, height 1.45
SOTFL50P160X60-6N [mm]
  rrect30% 0.57x0.3 smd: 1(-0.79,0.5) 2(-0.79,0) 3(-0.79,-0.5) 4(0.79,-0.5) 5(0.79,0) 6(0.79,0.5)
  silkscreen extent -0.99,-0.8 0,1.03, body extent -0.81,-0.8 0.81,0.8, height 0.58
"T_AMPHENOL_ GSB311231HR" [mm]
  round 1.2 hole 0.7: L1(-3.5,13.78) L2(-1,13.78) L3(1,13.78) L4(3.5,13.78) L5(4,15.28) L6(2,15.28) L7(0,15.28) L8(-2,15.28) L9(-4,15.28) U1(-3.5,16.98) U2(-1,16.98) U3(1,16.98) U4(3.5,16.98) U5(4,18.48) U6(2,18.48) U7(0,18.48) U8(-2,18.48) U9(-4,18.48)
  round 3.5 hole 2.3: S1(-6.57,11.78) S2(-6.57,17.46) S3(6.57,17.46) S4(6.57,11.78)
  silkscreen extent -6.9,0 6.9,19.85, body extent -7.79,0 7.79,19.7, height 16.13
T_CAPC0603X33N [mm]
  rrect20% 0.7x0.85 smd: 1(-0.775,0) 2(0.775,0)
  body extent -0.8,-0.4 0.8,0.4, height 0.9
T_CAPC0805X125N [mm]
  rrect20% 1x1.2 smd: 1(-0.95,0) 2(0.95,0)
  body extent -1,-0.62 1,0.63, height 1
T_CAPC1206X60N [mm]
  rrect25% 1.524x1.7 smd: 1(-1.397,0) 2(1.397,0)
  body extent -1.7,-0.9 1.7,0.9, height 1.8
T_CAPC1206X180N [mm]
  rrect20% 1.524x1.7 smd: 1(-1.397,0) 2(1.397,0)
  body extent -1.6,-0.8 1.6,0.8, height 1
T_CE_Marking [mm] "Silkscreen CE Marking"
T_CI_SJ-43516-SMT [mm] "STEREO_3.5mm AUDIO JACK  CUI"
  rrect12% 1.5x2.8 smd: 1(1,-3.7)
  rrect12% 2.8x2.8 smd: 2(13,-3.7) 5(17,0.8)
  rrect12% 2.2x2.8 smd: 3(5.5,3.7) 4(3.6,-3.7)
  rrect12% 2x2.8 smd: 6(2.7,3.7)
  round 1.7 hole 1.7 unplated: X(4.7,0) X(11.7,0)
  silkscreen extent -1.3,-3 15.3,3, body extent -1.5,-4.5 17.7,4.5, height 5.12
"T_E-SWITCH- TL3340AF160QG" [mm] "SWITCH TACT SUB MINI 160GF SMD"
  rrect20% 0.75x1.8 smd: 1(-1.225,0.9) 3(1.225,0.9)
  rrect20% 0.6x1.8 smd: 2(0,0.9)
  rrect20% 1.3x0.9 smd: SH1(-1.85,-1.05) SH2(1.85,-1.05)
  round 0.5 hole 0.9 unplated: ""(-2.125,0) ""(2.125,0)
  Top Layer pour cut-out: -1,-0.103 -1,-1.5 1,-1.5 1,-0.103
  silkscreen extent -2.25,0.75 2.25,2.17, body extent -2.25,-2.1 2.25,1.57, height 3.27
T_FCI_10029449-111RLF [mm]
  rrect50% 0.3x1.9 smd: 1(4.75,9.45) 2(4.25,9.45) 3(3.75,9.45) 4(3.25,9.45) 5(2.75,9.45) 6(2.25,9.45) 7(1.75,9.45) 8(1.25,9.45) 9(0.75,9.45) 10(0.25,9.45) 11(-0.25,9.45) 12(-0.75,9.45) 13(-1.25,9.45) 14(-1.75,9.45) 15(-2.25,9.45) 16(-2.75,9.45) 17(-3.25,9.45) 18(-3.75,9.45) 19(-4.25,9.45)
  round 1.7 hole 1.3: S1(-7.85,3.6) S2(7.85,3.6) S3(7.25,8.55) S4(-7.25,8.55)
  silkscreen extent -8.22,0 8.23,10.72, body extent -8.1,0 8.1,9.85, height 6.17
T_FIDUCIAL [mm]
  round 0.001 smd: ""(0,0)
  Top Layer region: 0,0 0,-0.6 -0.23,-0.554 -0.424,-0.424 -0.554,-0.23 -0.6,0 -0.6,0
  Top Layer region: 0,0 0,0.6 0.23,0.554 0.424,0.424 0.554,0.23 0.6,0 0.6,0
  Top Layer lines w0.203: 0,0.625 cw(c0,0) 0,-0.625 cw(c0,0) 0,0.625
T_Fiducial [mm]
  round 0.001 smd: ""(0,0)
  Top Layer region: 0,0 0,0.6 0.23,0.554 0.424,0.424 0.554,0.23 0.6,0 0.6,0
  Top Layer region: 0,0 0,-0.6 -0.23,-0.554 -0.424,-0.424 -0.554,-0.23 -0.6,0 -0.6,0
  Top Layer lines w0.203: 0,0.625 ccw(c0,0) 0,-0.625 ccw(c0,0) 0,0.625
T_HIROSE_FH12-24S-0.5SVA(54) [mm] "FFC Connector 0.5mm pitch Vertical"
  rrect12% 0.5x1.5 smd: 1(-5.75,-1.5) 2(-5.25,1.5) 3(-4.75,-1.5) 4(-4.25,1.5) 5(-3.75,-1.5) 6(-3.25,1.5) 7(-2.75,-1.5) 8(-2.25,1.5) 9(-1.75,-1.5) 10(-1.25,1.5) 11(-0.75,-1.5) 12(-0.25,1.5) 13(0.25,-1.5) 14(0.75,1.5) 15(1.25,-1.5) 16(1.75,1.5) 17(2.25,-1.5) 18(2.75,1.5) 19(3.25,-1.5) 20(3.75,1.5) 21(4.25,-1.5) 22(4.75,1.5) 23(5.25,-1.5) 24(5.75,1.5)
  rrect25% 0.9x1.9 smd: ""(-6.75,-1.3) ""(-6.75,1.3) ""(6.75,-1.3) ""(6.75,1.3)
  silkscreen extent -7.87,-3.52 7.81,2.46, body extent -7.7,-1.92 7.7,1.88, height 5.52
T_INDM110100 [mm]
  rrect15% 4.86x3.8 smd: 1(0,-4.6) 2(0,4.6)
  silkscreen extent -5.52,-5.52 5.52,5.52, body extent -5,-5.2 5,5.2, height 3.8
T_INDM_PA4340 [mm]
  rrect20% 1.8x2 smd: 1(0,-2.25) 2(0,2.25)
  silkscreen extent -2.9,-2.9 2.9,2.9, body extent -2.7,-3 2.7,3, height 3
T_KEYSTONE_3000 [mm] "Battery Holder"
  rrect10% 3.2x3.9 smd: 1(-8.17,0) 1(8.17,0)
  rrect70% 12x12.3 smd paste-11: 2(0,-0.15)
  silkscreen extent -6.63,-6.75 6.63,6.3, body extent -9.47,-6.72 9.47,5.34, height 3.16
T_LAIRD_35F0121-0SR-10 [mm]
  rrect20% 2.77x1.47 smd: 1(-1.79,0) 2(1.79,0)
  silkscreen extent -2.73,-1.6 2.73,1.6, body extent -2.3,-1.59 2.3,1.59, height 3.05
T_LINEAR_LTC2954CTS8-2#PBF [mm]
  rrect30% 0.4x1.22 smd: 1(-0.975,-1.31) 2(-0.325,-1.31) 3(0.325,-1.31) 4(0.975,-1.31) 5(0.975,1.31) 6(0.325,1.31) 7(-0.325,1.31) 8(-0.975,1.31)
  silkscreen extent -1.78,-1.42 1.56,0.48, body extent -1.45,-1.4 1.45,1.4, height 1
T_LITEON_LTST-C190GKT [mm]
  rrect50% 0.8x0.8 smd: A(-0.75,0) K(0.75,0)
  silkscreen extent -0.2,-0.4 1.54,0.44, body extent -0.85,-0.45 0.85,0.45, height 0.9
T_Liteon_LTST-C190GKT [mm]
  rrect50% 0.8x0.8 smd: A(-0.75,0) K(0.75,0)
  silkscreen extent -0.2,-0.4 1.54,0.44, body extent -0.85,-0.45 0.85,0.45, height 0.9
T_LITEON_LTST-C190KRKT [mm]
  rrect50% 0.8x0.8 smd: A(-0.75,0) K(0.75,0)
  silkscreen extent -0.2,-0.4 1.54,0.44, body extent -0.85,-0.45 0.85,0.45, height 0.9
T_LITEON_LTST-C190KSKT [mm]
  rrect50% 0.8x0.8 smd: A(-0.75,0) K(0.75,0)
  silkscreen extent -0.2,-0.4 1.54,0.44, body extent -0.85,-0.45 0.85,0.45, height 0.9
T_MOLEX_1042240820 [mm]
  rrect30% 1.1x1 smd paste+0: 0(-6.725,8.275) 0(-3.075,8.275)
  rrect30% 1x2.3 smd paste+0: G1(-9.95,-2.85) G2(-9.95,4.35) G3(0.25,4.35) G4(0.25,-2.85)
  rrect30% 1x0.8 smd: S1(0,0) S2(0,1.2) S3(-9.8,0) S4(0,2.4) S5(-9.8,1.2) S6(-9.8,2.4)
  Top Layer keep-out region: -5.45,-1.1 -4.25,-1.1 -4.25,-4 -5.45,-4
  Top Layer keep-out region: -8,-1.1 -6.8,-1.1 -6.8,-4 -8,-4
  Top Layer keep-out region: -2.9,-1.1 -1.7,-1.1 -1.7,-4 -2.9,-4
  Top Layer keep-out region: -2.875,6.4 -1.675,6.4 -1.675,3.3 -2.875,3.3
  Top Layer keep-out region: -7.975,6.4 -6.775,6.4 -6.775,3.3 -7.975,3.3
  Top Layer keep-out region: -5.425,6.4 -4.225,6.4 -4.225,3.3 -5.425,3.3
  silkscreen extent -10.02,-4.35 0.33,8.2, body extent -10.03,-4.35 0.32,8.2, height 1.1
T_ON_NCV4264-2ST50T3G [mm]
  rrect20% 2x1.5 smd: 1(-3.15,2.3) 2(-3.15,0) 3(-3.15,-2.3)
  rrect15% 2x3.8 smd: 4(3.15,0)
  silkscreen extent -4.77,-3.43 1.8,3.43, body extent -3.5,-3.25 3.5,3.25, height 1.7